# Altium PCB FMC_ADC_100M_10B_16CHA_TDC.PcbDoc (part 9 of 12)
Units mil, origin at the board's own origin, x right, y up, seen from the top; angles counter-clockwise.
Board outline 3037.39 x 2716.54 mil, 6 copper layers (TOP, G1, L2, L3, P3, BOTTOM), stack 50.475 mil thick; 720 components, 633 nets, 2798 pads, 1593 vias.
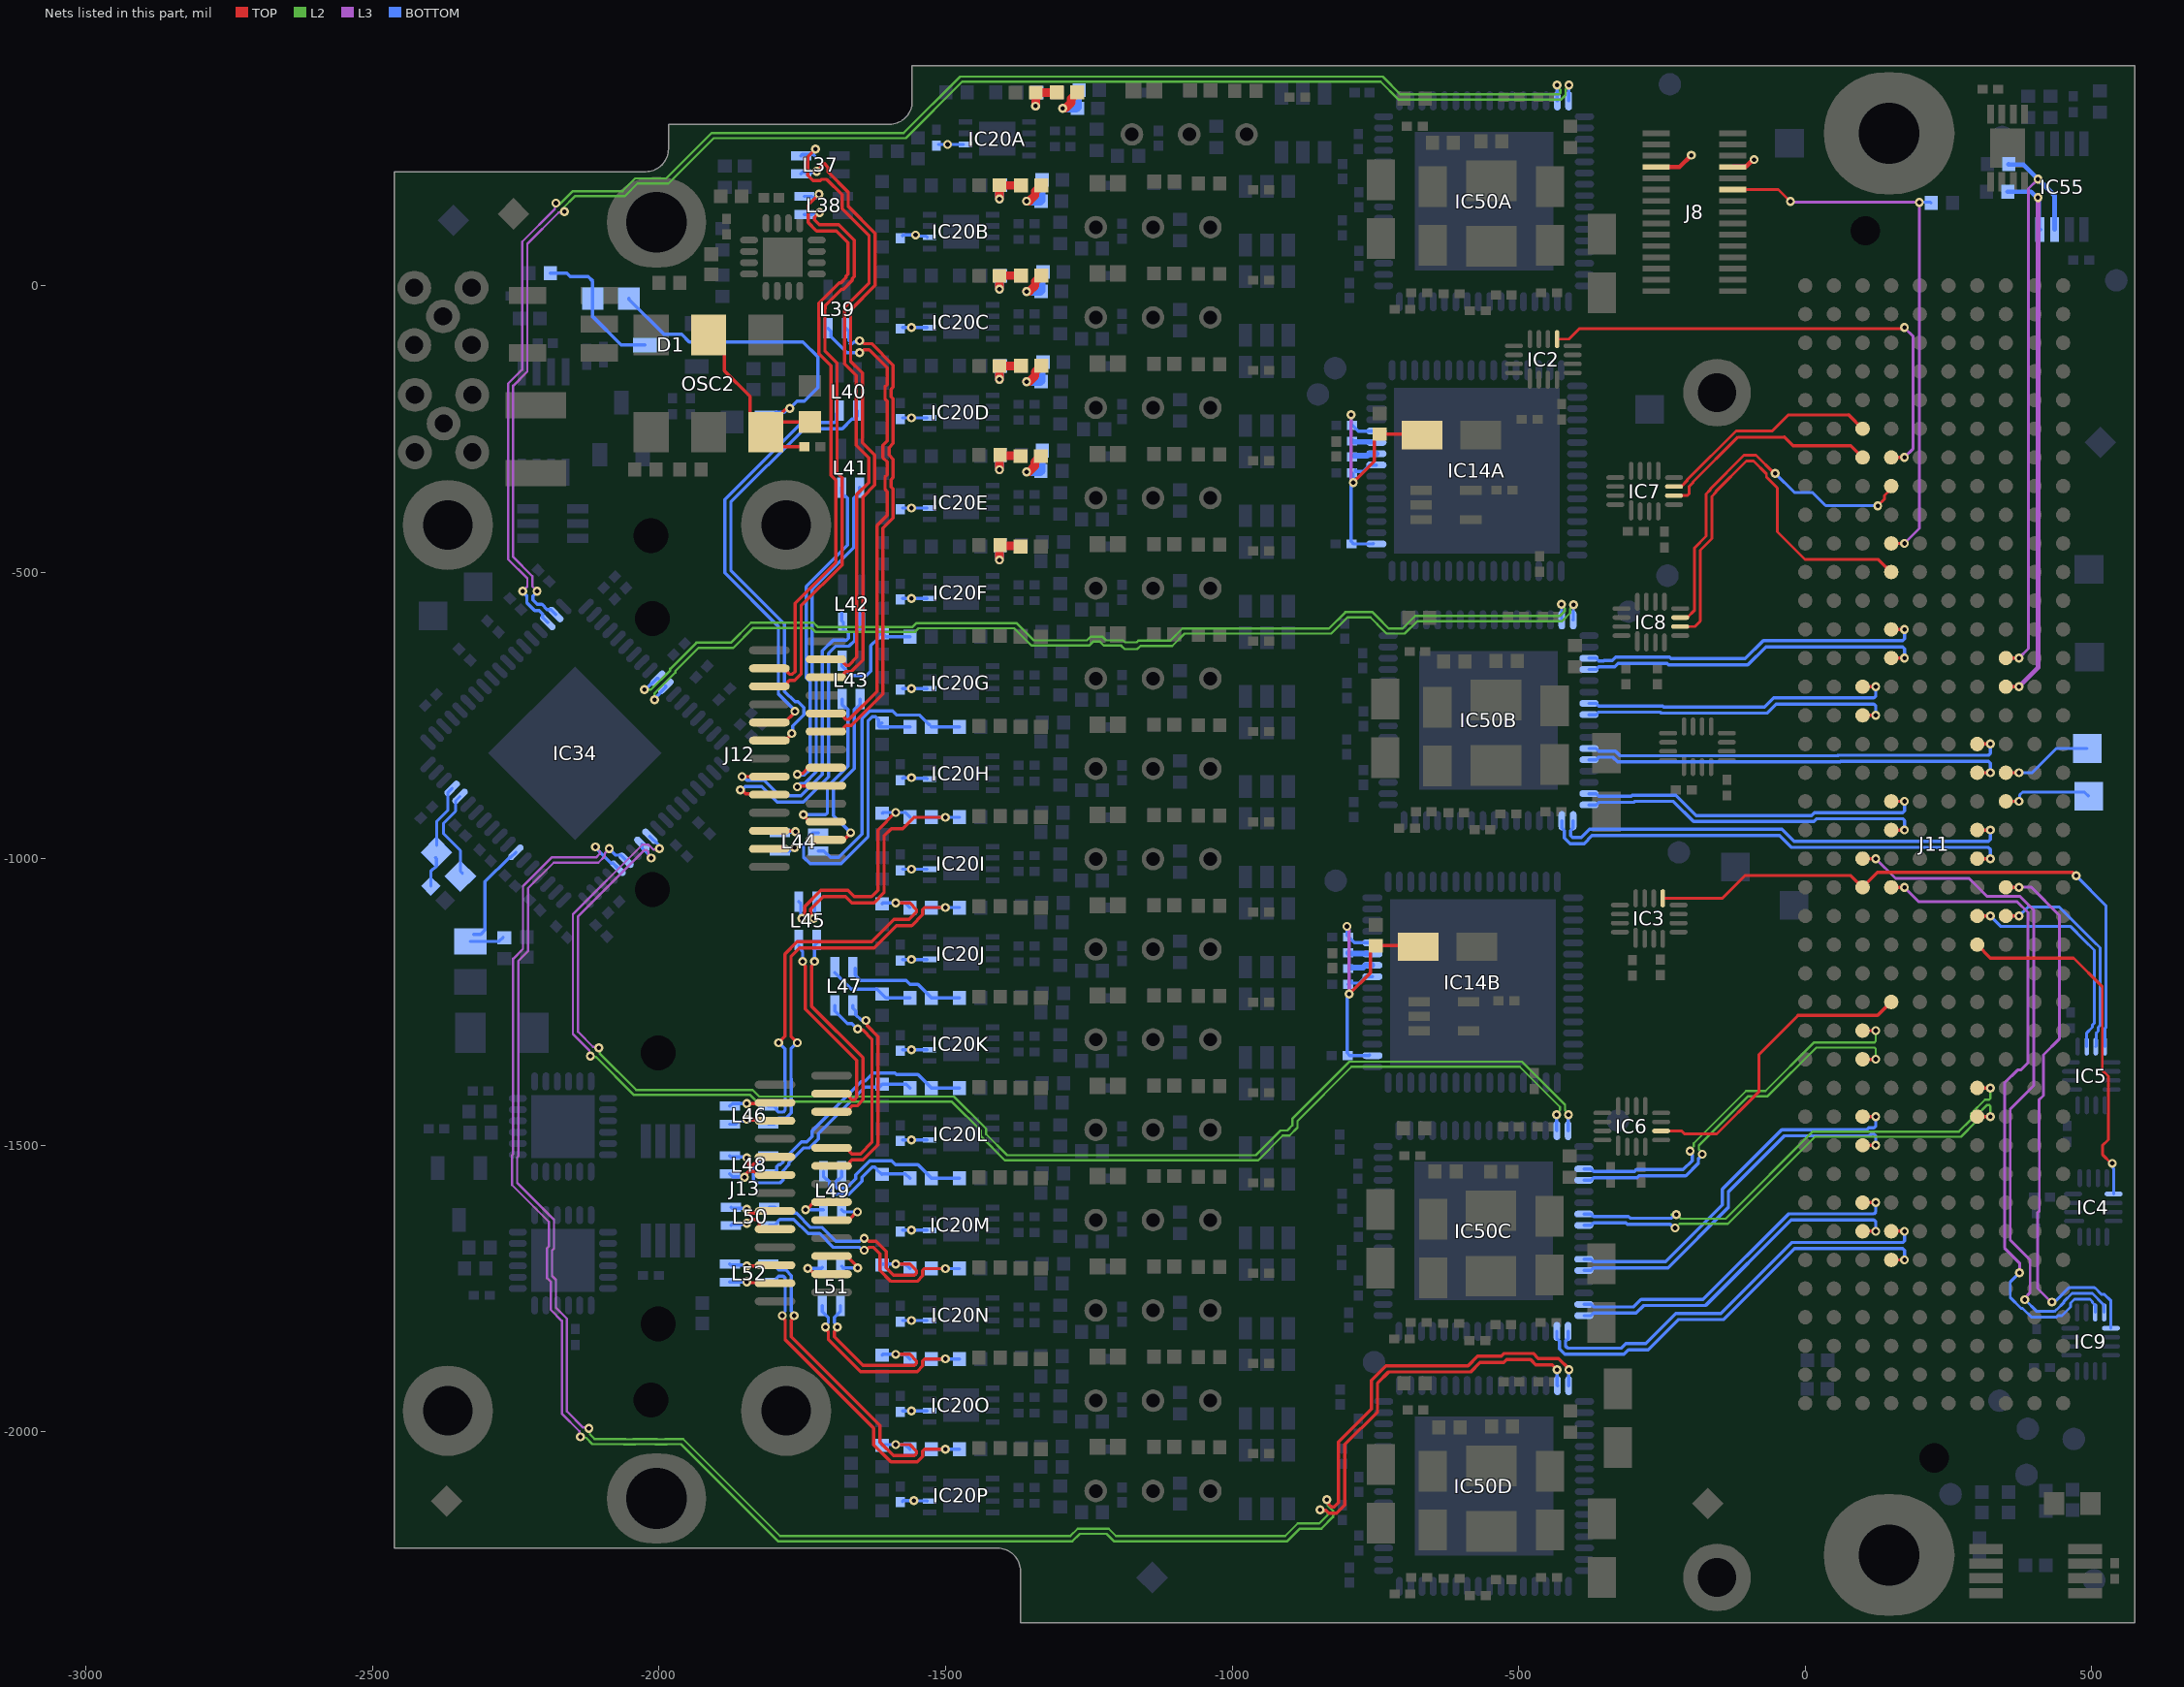
[diagram p13: the nets of this part, all layers, seen from the top]

## Via types
v1: diameter 15.75, hole 7.87, TOP to BOTTOM, tented both sides, 1528 vias
v2: diameter 23.62, hole 11.81, TOP to BOTTOM, tented both sides, 39 vias
v3: diameter 23.62, hole 7.87, TOP to BOTTOM, tented both sides, 26 vias

## Nets (pads, with @x,y where several pads share a name; then routed paths per layer and width w, separated by ;. In a path a pad name is that pad's centre, name@x,y a point inside that pad or via, vN(x,y) a via of type N, cw(c..) or ccw(c..) an arc to the next point about the centre after c; other vN are vias at no path point) (continued)
IN6_P: L43.2 R64G.1 R65G.2 | length 192
  BOTTOM w5.71: L43.2@-1680.63,-654.87 -1680.63,-664.71 -1664.9,-680.44 -1638.01,-680.44 -1630.81,-673.25 -1630.81,-628.45 -1618.23,-615.87 -1618.23,-611.98 R64G.1@-1614.57,-608.32 ; R64G.1@-1610.75,-606.12 -1604.06,-612.81 R65G.2@-1562.33,-612.81
IN7_N: L44.3 R63H.1 R65H.1 | length 482.7
  BOTTOM w5.71: L44.3@-1722.17,-986.46 -1712.32,-986.46 -1700.9,-997.89 -1686.61,-997.89 -1646.08,-957.36 -1646.08,-755.45 -1632.62,-741.98 -1592.73,-741.98 -1585.19,-749.51 -1545.31,-749.51 -1529.02,-765.8 R65H.1@-1527.95,-765.8 ; R65H.1@-1525.32,-770.29 R63H.1@-1475.71,-770.29
IN7_P: L44.2 R64H.1 R65H.2 | length 495.3
  BOTTOM w5.71: L44.2@-1722.17,-954.96 -1732.01,-954.96 -1737.03,-959.98 -1737.03,-964.62 -1747.74,-975.33 -1747.74,-997.59 -1736.73,-1008.6 -1682.17,-1008.6 -1635.37,-961.8 -1635.37,-759.88 -1628.18,-752.69 -1622.44,-752.69 -1617.27,-757.87 R64H.1@-1617.27,-768.5 ; R64H.1@-1610.75,-763.6 -1612.36,-763.6 R64H.1@-1617.27,-768.5 ; R65H.2@-1562.33,-770.29 -1615.48,-770.29 R64H.1@-1617.27,-768.5
IN8_N: L45.3 R63I.1 R65I.1 | length 467.6
  TOP w5.71: v1(-1730.18,-1104.38) -1730.18,-1101.67 -1735.2,-1096.65 -1735.2,-1087.94 -1713.42,-1066.16 -1674.69,-1066.16 -1663.97,-1076.87 -1624.88,-1076.87 -1607.42,-1059.41 -1607.42,-960.69 -1594.7,-947.97 -1574.46,-947.97 -1554.26,-927.77 v1(-1500.52,-927.77)
  BOTTOM w5.71: v1(-1730.18,-1104.38) -1728.55,-1102.76 -1728.55,-1098.63 -1728.26,-1098.34 -1728.26,-1078.31 L45.3@-1724.8,-1074.86 ; R65I.1@-1525.32,-927.77 R63I.1@-1475.71,-927.77
IN8_P: L45.2 R64I.1 R65I.2 | length 405.7
  TOP w5.71: v1(-1750.93,-1104.38) -1750.93,-1101.67 -1745.91,-1096.65 -1745.91,-1083.5 -1717.85,-1055.45 -1670.25,-1055.45 -1659.54,-1066.16 -1629.31,-1066.16 -1618.13,-1054.98 -1618.13,-950.35 v1(-1587.13,-919.35)
  BOTTOM w5.71: L45.2@-1756.3,-1074.86 -1752.85,-1078.31 -1752.85,-1102.46 v1(-1750.93,-1104.38) ; R64I.1@-1610.75,-921.08 -1609.02,-919.35 -1588.86,-919.35 -1587.13,-921.08 -1585.4,-919.35 -1570.75,-919.35 R65I.2@-1562.33,-927.77
IN9_N: L46.3 R63J.1 R65J.1 | length 691.2
  TOP w5.71: v1(-1758.87,-1321.02) -1769.79,-1310.09 -1769.79,-1170.79 -1754.71,-1155.71 -1624.72,-1155.71 -1585.77,-1116.76 -1559.09,-1116.76 -1540.1,-1097.77 -1540.1,-1088.6 -1536.75,-1085.25 v1(-1500.52,-1085.25)
  BOTTOM w5.71: L46.3@-1809.57,-1463.2 -1799.73,-1463.2 -1794.71,-1458.18 -1794.71,-1456.16 -1791.36,-1452.81 -1778.85,-1452.81 -1769.22,-1443.19 -1769.22,-1383.89 -1769.79,-1383.32 -1769.79,-1331.94 v1(-1758.87,-1321.02) ; R65J.1@-1525.32,-1085.25 v1(-1500.52,-1085.25) R63J.1@-1475.71,-1085.25
IN9_P: L46.2 R64J.1 R65J.2 | length 679.1
  TOP w5.71: v1(-1791.43,-1321.02) -1780.51,-1310.09 -1780.51,-1166.36 -1759.15,-1145 -1629.16,-1145 -1590.21,-1106.05 -1563.53,-1106.05 -1550.81,-1093.33 -1550.81,-1088.6 -1562.03,-1077.38 v1(-1587.13,-1077.38)
  BOTTOM w5.71: L46.2@-1809.57,-1431.71 -1799.73,-1431.71 -1794.71,-1436.72 -1794.71,-1438.75 -1791.36,-1442.1 -1783.28,-1442.1 -1779.94,-1438.75 -1779.94,-1389.39 -1780.51,-1388.82 -1780.51,-1331.94 v1(-1791.43,-1321.02) ; R64J.1@-1610.75,-1078.56 -1609.57,-1077.38 -1590.87,-1077.38 -1587.13,-1081.12 -1583.39,-1077.38 -1570.2,-1077.38 R65J.2@-1562.33,-1085.25
IN10_N: L47.3 R63K.1 R65K.1 | length 211
  BOTTOM w5.71: L47.3@-1657.88,-1191 -1657.88,-1202.81 -1648.29,-1212.4 -1568.84,-1212.4 -1562.15,-1219.09 -1548.17,-1219.09 -1525.32,-1241.94 R65K.1@-1525.32,-1242.73 R63K.1@-1475.71,-1242.73
IN10_P: L47.2 R64K.1 R65K.2 | length 149.1
  BOTTOM w5.71: L47.2@-1693.31,-1198.87 -1664.7,-1227.48 -1619.31,-1227.48 -1604.06,-1242.73 R65K.2@-1562.33,-1242.73
IN11_N: L48.3 R63L.1 R65L.1 | length 429.7
  BOTTOM w5.71: L48.3@-1809.57,-1549.82 -1799.73,-1549.82 -1794.71,-1544.8 -1794.71,-1537.09 -1791.67,-1534.05 -1788.6,-1534.05 -1784,-1529.45 -1784,-1526.38 -1751.49,-1493.87 -1741.91,-1493.87 -1732.7,-1484.65 -1732.7,-1475.08 -1645.5,-1387.88 -1639.85,-1387.88 -1626.21,-1374.24 -1588.35,-1374.24 -1586.02,-1376.58 -1548.17,-1376.58 -1525.32,-1399.42 R65L.1@-1525.32,-1400.21 R63L.1@-1475.71,-1400.21
IN11_P: L48.2 R64L.1 R65L.2 | length 424.7
  BOTTOM w5.71: L48.2@-1809.57,-1518.32 -1819.41,-1518.32 -1824.43,-1523.34 -1824.43,-1527.97 -1835.14,-1538.69 -1835.14,-1560.94 -1830.54,-1565.55 -1788.6,-1565.55 -1784,-1560.94 -1784,-1544.6 -1773.28,-1533.89 -1773.28,-1530.82 -1747.05,-1504.58 -1737.47,-1504.58 -1721.98,-1489.09 -1721.98,-1479.51 -1641.06,-1398.59 -1615.83,-1398.59 R64L.1@-1610.75,-1393.52 -1569.02,-1393.52 R65L.2@-1562.33,-1400.21
IN12_N: L49.3 R63M.1 R65M.1 | length 286.1
  BOTTOM w5.71: L49.3@-1681.5,-1545.33 -1681.5,-1555.17 -1686.52,-1560.19 -1688.54,-1560.19 -1691.89,-1563.54 -1691.89,-1571.61 -1688.54,-1574.96 -1673.42,-1574.96 -1656.81,-1558.35 -1656.81,-1551.55 -1632.62,-1527.36 -1594.2,-1527.36 -1587.5,-1534.06 -1548.17,-1534.06 -1525.32,-1556.9 R65M.1@-1525.32,-1557.69 R63M.1@-1475.71,-1557.69
IN12_P: L49.2 R64M.1 R65M.2 | length 213.9
  BOTTOM w5.71: L49.2@-1712.99,-1545.33 -1712.99,-1555.17 -1707.98,-1560.19 -1705.95,-1560.19 -1702.6,-1563.54 -1702.6,-1576.05 -1692.98,-1585.67 -1668.98,-1585.67 -1646.09,-1562.78 -1646.09,-1555.98 -1628.18,-1538.07 -1623.45,-1538.07 -1620.1,-1541.42 -1620.1,-1542.44 -1611.54,-1551 R64M.1@-1610.75,-1551 -1609.57,-1549.82 -1570.2,-1549.82 R65M.2@-1562.33,-1557.69
IN13_N: L50.3 R63N.1 R65N.1 | length 442.5
  TOP w5.71: v1(-1642.13,-1683.11) -1639.41,-1683.11 -1634.39,-1678.09 -1625.68,-1678.09 -1614.39,-1689.38 -1614.39,-1718.44 -1595.52,-1737.31 -1549.72,-1737.31 -1540.1,-1727.69 -1540.1,-1718.52 -1536.75,-1715.17 v1(-1500.52,-1715.17)
  BOTTOM w5.71: L50.3@-1807.48,-1639.82 -1797.64,-1639.82 -1792.62,-1634.8 -1792.62,-1632.77 -1789.28,-1629.43 -1764.72,-1629.43 -1739.98,-1654.16 -1719.81,-1654.16 -1695.89,-1678.09 -1649.86,-1678.09 -1644.84,-1683.11 v1(-1642.13,-1683.11) ; R65N.1@-1525.32,-1715.17 R63N.1@-1475.71,-1715.17
IN13_P: L50.2 R64N.1 R65N.2 | length 427.3
  TOP w5.71: v1(-1642.13,-1662.36) -1639.41,-1662.36 -1634.39,-1667.38 -1621.25,-1667.38 -1603.68,-1684.94 -1603.68,-1714 -1591.08,-1726.6 -1554.16,-1726.6 -1550.81,-1723.25 -1550.81,-1718.52 -1562.03,-1707.3 v1(-1587.13,-1707.3)
  BOTTOM w5.71: L50.2@-1807.48,-1608.32 -1797.64,-1608.32 -1792.62,-1613.34 -1792.62,-1615.37 -1789.28,-1618.71 -1760.28,-1618.71 -1735.54,-1643.45 -1715.37,-1643.45 -1691.45,-1667.38 -1649.86,-1667.38 -1644.84,-1662.36 v1(-1642.13,-1662.36) ; R64N.1@-1610.75,-1708.48 -1609.57,-1707.3 -1570.2,-1707.3 R65N.2@-1562.33,-1715.17
IN14_N: L51.3 R63O.1 R65O.1 | length 348.7
  TOP w5.71: v1(-1709.71,-1816.98) -1709.71,-1819.7 -1704.69,-1824.72 -1704.69,-1838.65 -1648.55,-1894.79 -1549.72,-1894.79 -1540.1,-1885.17 -1540.1,-1876 -1536.75,-1872.65 v1(-1500.52,-1872.65)
  BOTTOM w5.71: L51.3@-1715.08,-1780.13 -1715.08,-1789.97 -1704.69,-1800.37 -1704.69,-1809.25 ; R65O.1@-1525.32,-1872.65 R63O.1@-1475.71,-1872.65
IN14_P: L51.2 R64O.1 R65O.2 | length 325.6
  TOP w5.71: v1(-1688.96,-1816.98) -1688.96,-1819.7 -1693.98,-1824.72 -1693.98,-1834.21 -1644.11,-1884.08 -1554.16,-1884.08 -1550.81,-1880.73 -1550.81,-1876 -1562.03,-1864.78 v1(-1587.13,-1864.78)
  BOTTOM w5.71: v1(-1688.96,-1816.98) -1688.96,-1814.27 -1693.98,-1809.25 -1693.98,-1800.37 -1683.59,-1789.97 L51.2@-1683.59,-1780.13 ; R64O.1@-1610.75,-1865.96 -1609.57,-1864.78 -1570.2,-1864.78 R65O.2@-1562.33,-1872.65
IN15_N: L52.3 R63P.1 R65P.1 | length 586.9
  TOP w5.71: v1(-1784.94,-1797.3) -1784.94,-1800.01 -1779.92,-1805.03 -1779.92,-1838.89 -1625.33,-1993.48 -1625.33,-2022.46 -1595.52,-2052.27 -1549.72,-2052.27 -1540.1,-2042.65 -1540.1,-2033.48 -1536.75,-2030.13 v1(-1500.52,-2030.13)
  BOTTOM w5.71: L52.3@-1809.57,-1738.79 -1799.73,-1738.79 -1794.71,-1733.77 -1794.71,-1731.75 -1791.36,-1728.4 -1783.28,-1728.4 -1779.92,-1731.76 -1779.92,-1789.56 ; R65P.1@-1525.32,-2030.13 R63P.1@-1475.71,-2030.13
IN15_P: L52.2 R64P.1 R65P.2 | length 581.6
  TOP w5.71: v1(-1764.19,-1797.3) -1764.19,-1800.01 -1769.21,-1805.03 -1769.21,-1834.45 -1614.62,-1989.04 -1614.62,-2018.02 -1591.08,-2041.56 -1554.16,-2041.56 -1550.81,-2038.21 -1550.81,-2033.48 -1562.03,-2022.26 v1(-1587.13,-2022.26)
  BOTTOM w5.71: L52.2@-1809.57,-1707.3 -1799.73,-1707.3 -1794.71,-1712.31 -1794.71,-1714.34 -1791.36,-1717.69 -1778.85,-1717.69 -1769.21,-1727.32 -1769.21,-1789.56 -1764.19,-1794.58 v1(-1764.19,-1797.3) ; R64P.1@-1610.75,-2023.44 -1609.57,-2022.26 -1570.2,-2022.26 R65P.2@-1562.33,-2030.13
INU0_N: J12.B3 L37.4 | length 1073.4
  TOP w5.71: v1(-1725,199) -1725,200 -1712,213 -1705,206 -1705,198 -1669.97,162.97 -1669.97,138.03 -1622.85,90.9 -1622.85,0.13 -1665.73,-42.76 -1665.73,-132.27 -1645.29,-152.71 -1645.29,-274.27 -1623.55,-296 -1623.55,-348.39 -1644.22,-369.06 -1644.22,-653.18 -1664.33,-673.28 -1673.5,-673.28 -1676.85,-676.63 -1676.85,-678.1 -1682.42,-683.67 J12.B3@-1708.78,-683.67
  BOTTOM w5.71: L37.4@-1752.36,194.83 -1750.11,197.08 -1726.92,197.08 v1(-1725,199)
INU0_P: J12.B2 L37.1 | length 1087.4
  TOP w5.71: v1(-1727,238) -1740.73,224.27 -1740.73,192.48 -1731.52,183.27 -1718.48,183.27 -1716.75,185 -1707.15,185 -1680.69,158.54 -1680.69,133.59 -1633.56,86.46 -1633.56,4.57 -1676.45,-38.32 -1676.45,-136.71 -1656,-157.15 -1656,-278.7 -1634.27,-300.44 -1634.27,-343.95 -1654.94,-364.62 -1654.94,-648.74 -1668.77,-662.57 -1673.5,-662.57 -1676.85,-659.22 -1676.85,-657.75 -1682.42,-652.18 J12.B2@-1708.78,-652.18
  BOTTOM w5.71: L37.1@-1752.36,226.33 -1750.35,228.34 -1730.75,228.34 -1728.74,226.33
INU1_N: J12.A3 L38.4 | length 1016.9
  TOP w5.71: J12.A3@-1807.6,-699.42 -1781.24,-699.42 -1775.67,-693.85 -1775.67,-692.38 -1772.32,-689.03 -1763.15,-689.03 -1752.07,-677.95 -1752.07,-558.81 -1680.76,-487.5 -1680.76,-335.24 -1689.35,-326.65 -1689.35,-135.93 -1710.46,-114.82 -1710.46,-40.83 -1710.17,-40.54 -1710.17,-35.36 -1681.13,-6.32 -1678.23,-6.32 -1662.74,9.17 -1662.74,12.06 -1659.43,15.38 -1659.43,79.17 -1686.29,106.03 -1720.53,106.03 -1728.75,114.25 -1728.75,118.99 -1723.37,124.37 -1718.44,124.37 v1@-1718.03,123.96
  BOTTOM w5.71: L38.4@-1746.46,123.96 -1733.29,123.96 -1731.6,125.66 -1721.48,125.66 v1(-1719.79,127.35)
INU1_P: J12.A2 L38.1 | length 1025.6
  TOP w5.71: J12.A2@-1807.6,-667.93 -1781.24,-667.93 -1775.67,-673.5 -1775.67,-674.97 -1772.32,-678.32 -1767.59,-678.32 -1762.79,-673.52 -1762.79,-554.37 -1691.48,-483.07 -1691.48,-339.67 -1700.07,-331.08 -1700.07,-140.37 -1721.18,-119.26 -1721.18,-36.4 -1720.88,-36.1 -1720.88,-30.92 -1685.56,4.39 -1682.67,4.39 -1673.46,13.61 -1673.46,16.5 -1670.14,19.81 -1670.14,74.73 -1690.73,95.32 -1724.97,95.32 -1739.47,109.82 -1739.47,140.53 v1@-1724.19,155.81
  BOTTOM w5.71: L38.1@-1746.46,155.46 -1733.62,155.46 -1731.6,153.44 v1@-1722.78,153.44
  other v1: -1720.83,159.39
INU2_N: J12.B6 L39.4 | length 831.2
  TOP w5.71: J12.B6@-1708.78,-778.16 -1682.42,-778.16 -1676.85,-772.59 -1676.85,-771.12 -1673.5,-767.77 -1664.33,-767.77 -1609.18,-712.62 -1609.18,-423.18 -1591.41,-405.42 -1591.41,-355.18 -1594.99,-351.61 -1594.99,-338.58 -1591.41,-335 -1591.41,-303.33 -1598.8,-295.94 -1598.8,-282.91 -1591.41,-275.53 -1591.41,-197.7 -1594.99,-194.13 -1594.99,-181.1 -1591.41,-177.52 -1591.41,-139.25 -1629.12,-101.54 -1642.27,-101.54
  BOTTOM w5.71: L39.4@-1673.44,-74.86 -1668.42,-79.87 -1668.42,-96.22 -1667.37,-97.27 ; -1667.37,-101.54 -1662.42,-101.54 -1659.32,-98.45 -1651.92,-98.45 v1(-1650,-96.53)
INU2_P: J12.B5 L39.1 | length 829.6
  TOP w5.71: J12.B5@-1708.78,-746.67 -1682.42,-746.67 -1676.85,-752.24 -1676.85,-753.71 -1673.5,-757.06 -1668.77,-757.06 -1619.89,-708.18 -1619.89,-418.75 -1602.13,-400.98 -1602.13,-359.62 -1605.7,-356.04 -1605.7,-334.14 -1602.13,-330.57 -1602.13,-307.76 -1609.51,-300.38 -1609.51,-278.47 -1602.13,-271.09 -1602.13,-202.14 -1605.7,-198.56 -1605.7,-176.66 -1602.13,-173.09 -1602.13,-143.69 -1633.56,-112.26 -1642.27,-112.26
  BOTTOM w5.71: L39.1@-1704.93,-74.86 -1699.92,-79.87 -1699.92,-89.72 -1672.36,-117.28 v1(-1650,-117.28)
INU3_N: J12.A6 L40.4 | length 805.8
  TOP w5.71: J12.A6@-1807.6,-793.91 -1779.98,-793.91 -1768.53,-782.47 v1(-1768.53,-781.55)
  BOTTOM w5.71: v1(-1768.53,-781.55) -1766.61,-779.63 -1766.61,-768.67 -1747.26,-749.32 -1747.26,-736.29 -1757.14,-726.42 -1762.81,-726.42 -1781.04,-708.19 -1781.04,-590.79 -1874.67,-497.16 -1874.67,-377.92 -1746.67,-249.91 -1680.09,-249.91 -1663.59,-233.42 -1658.96,-233.42 -1653.94,-228.4 L40.4@-1653.94,-218.56
INU3_P: J12.A5 L40.1 | length 739.5
  TOP w5.71: J12.A5@-1807.6,-762.41 -1780.83,-762.41 -1762.99,-744.58 v1(-1762.99,-742.8)
  BOTTOM w5.71: v1(-1762.99,-742.8) -1762.99,-741.38 -1791.75,-712.63 -1791.75,-595.23 -1885.38,-501.59 -1885.38,-373.48 -1751.1,-239.2 -1693.8,-239.2 -1690.45,-235.85 -1690.45,-223.57 L40.1@-1689.37,-222.49
INU4_N: J12.B9 L41.4 | length 622.2
  TOP w5.71: v1(-1758.87,-874.56) -1757.92,-873.6 -1709.74,-873.6 J12.B9@-1708.78,-872.65
  BOTTOM w5.71: v1@-1754.43,-868.7 -1745.91,-868.7 -1725.84,-848.62 -1725.84,-687.19 -1732.66,-680.37 -1732.66,-529.65 -1660.39,-457.39 -1660.39,-370.62 -1657.05,-367.28 -1655.02,-367.28 -1650,-362.26 L41.4@-1650,-352.42
INU4_P: J12.B8 L41.1 | length 611.7
  TOP w5.71: v1(-1758.87,-852.97) -1756.95,-851.05 -1749.3,-851.05 -1739.41,-841.15 J12.B8@-1708.78,-841.15
  BOTTOM w5.71: v1(-1758.87,-852.97) -1758.02,-853.82 -1746.19,-853.82 -1736.55,-844.18 -1736.55,-691.63 -1743.37,-684.81 -1743.37,-525.22 -1671.11,-452.95 -1671.11,-370.62 -1674.45,-367.28 -1676.48,-367.28 -1681.5,-362.26 L41.1@-1681.5,-352.42
INU5_N: J12.A9 L42.4 | length 563.7
  TOP w5.71: v1(-1858.11,-880.15) -1855.4,-880.15 -1848.69,-886.86 -1809.15,-886.86 J12.A9@-1807.6,-888.4
  BOTTOM w5.71: v1(-1858.11,-880.15) -1856.02,-880.15 -1849.75,-873.88 -1821.18,-873.88 -1794.06,-901 -1747.92,-901 -1704.41,-857.49 -1704.41,-641.95 -1691.76,-629.3 -1668.28,-629.3 -1658.66,-619.67 -1658.66,-607.18 -1655.31,-603.83 -1653.29,-603.83 -1648.27,-598.82 L42.4@-1648.27,-588.97 ; L42.4@-1650,-588.97 L42.4@-1650,-571.47
INU5_P: J12.A8 L42.1 | length 535.4
  TOP w5.71: v1(-1855.1,-856.9) J12.A8@-1807.6,-856.9
  BOTTOM w5.71: v1(-1855.1,-856.9) -1853,-856.9 -1846.74,-863.17 -1816.74,-863.17 -1789.62,-890.29 -1752.35,-890.29 -1715.12,-853.06 -1715.12,-637.51 -1696.2,-618.58 -1672.72,-618.58 -1669.37,-615.24 -1669.37,-607.18 -1672.72,-603.83 -1674.75,-603.83 -1678.5,-600.08 L42.1@-1678.5,-587.71 ; L42.1@-1681.5,-571.47 -1681.5,-584.72 L42.1@-1679.76,-586.46
INU6_N: J12.B12 L43.4 | length 325.7
  TOP w5.71: J12.B12@-1708.78,-967.14 J12.B12@-1678.14,-967.14 ; v1@-1670.25,-959.25 J12.B12@-1678.14,-967.14 ; v1(-1665.75,-954.78) -1665.75,-955.87 -1675.47,-965.6 -1676.6,-965.6 J12.B12@-1678.14,-967.14
  BOTTOM w5.71: v1(-1665.75,-954.78) -1695.55,-924.97 -1695.55,-878.94 -1659.53,-842.91 -1659.53,-740.01 -1656.18,-736.66 -1654.15,-736.66 -1649.14,-731.64 L43.4@-1649.14,-721.8
INU6_P: J12.B11 L43.1 | length 307.5
  TOP w5.71: v1@-1749.06,-923.28 -1736.69,-935.64 J12.B11@-1708.78,-935.64
  BOTTOM w5.71: v1(-1748.42,-923.28) -1709.61,-923.28 -1706.27,-919.94 -1706.27,-874.5 -1670.24,-838.47 -1670.24,-740.01 -1673.59,-736.66 -1675.62,-736.66 -1680.63,-731.64 L43.1@-1680.63,-721.8
INU7_N: J12.A12 L44.4 | length 57.3
  TOP w5.71: J12.A12@-1807.6,-982.89 -1806.66,-981.94 -1764.41,-981.94 v1(-1763.47,-981)
  BOTTOM w5.71: L44.4@-1784.37,-986.37 L44.4@-1772,-986.37
INU7_P: J12.A11 L44.1 | length 79.9
  TOP w5.71: J12.A11@-1807.6,-951.39 -1806.8,-952.2 -1762.8,-952.2 v1(-1762,-953)
  BOTTOM w5.71: L44.1@-1798.94,-954.96 L44.1@-1789.09,-954.96 ; L44.1@-1782,-953 -1781.02,-953.98 -1762.98,-953.98 v1(-1762,-953) v1@-1762,-952.51 ; v1@-1762.25,-952.76 v1@-1762,-952.51 ; v1@-1760.49,-951 v1@-1762,-952.51
INU8_N: J13.B3 L45.4 | length 383.7
  TOP w5.71: v1(-1728.76,-1179.19) -1728.76,-1181.9 -1733.78,-1186.92 -1733.78,-1257.73 -1644.22,-1347.28 -1644.22,-1420.89 -1654.49,-1431.16 -1663.66,-1431.16 -1667.01,-1434.5 -1667.01,-1435.97 -1672.58,-1441.55 J13.B3@-1698.94,-1441.55
  BOTTOM w5.71: v1(-1728.76,-1179.19) -1728.76,-1151.65 L45.4@-1720.87,-1143.75
INU8_P: J13.B2 L45.1 | length 357.6
  TOP w5.71: v1(-1749.51,-1179.19) -1749.51,-1181.9 -1744.49,-1186.92 -1744.49,-1262.16 -1654.94,-1351.72 -1654.94,-1416.46 -1658.93,-1420.44 -1663.66,-1420.44 -1667.01,-1417.1 -1667.01,-1415.63 -1672.58,-1410.05 J13.B2@-1698.94,-1410.05
  BOTTOM w5.71: L45.1@-1756.3,-1151.63 -1751.28,-1156.65 -1751.28,-1159.64 -1749.51,-1161.41 v1(-1749.51,-1179.19)
INU9_N: J13.A3 L46.4 | length 83.3
  TOP w5.71: v1(-1846.85,-1454.78) -1845.31,-1456.31 -1798.74,-1456.31 J13.A3@-1797.76,-1457.3
  BOTTOM w5.71: L46.4@-1876.5,-1463.2 -1866.66,-1463.2 -1861.64,-1458.18 -1852.97,-1458.18 -1849.56,-1454.78 v1(-1846.85,-1454.78)
INU9_P: J13.A2 L46.1 | length 81.2
  TOP w5.71: v1(-1846.85,-1427.22) -1830.03,-1427.22 -1828.61,-1425.8 J13.A2@-1797.76,-1425.8
  BOTTOM w5.71: L46.1@-1876.5,-1431.71 -1872.01,-1427.22 v1(-1846.85,-1427.22)
INU10_N: J13.B6 L47.4 | length 363.8
  TOP w5.71: J13.B6@-1698.94,-1536.04 -1672.58,-1536.04 -1667.01,-1530.46 -1667.01,-1528.99 -1663.66,-1525.64 -1644.1,-1525.64 -1617.89,-1499.43 -1617.89,-1310.32 -1636.96,-1291.25 -1636.96,-1284.16 v1(-1638.88,-1282.24)
  BOTTOM w5.71: L47.4@-1661.81,-1255.96 -1661.81,-1260.35 -1656.8,-1265.37 -1656.8,-1272.2 -1647.82,-1281.18 -1647.03,-1281.18 -1646.66,-1281.55 v1@-1638.19,-1281.55
INU10_P: J13.B5 L47.1 | length 353
  TOP w5.71: J13.B5@-1698.94,-1504.54 -1672.58,-1504.54 -1667.01,-1510.11 -1667.01,-1511.59 -1663.66,-1514.93 -1648.54,-1514.93 -1628.6,-1495 -1628.6,-1314.76 -1644.53,-1298.83 -1651.63,-1298.83 v1(-1653.55,-1296.91)
  BOTTOM w5.71: L47.1@-1693.31,-1255.96 -1693.31,-1265.8 -1671.47,-1287.64 -1663.59,-1287.64 v1@-1657.88,-1293.36
INU11_N: J13.A6 L48.4 | length 92.7
  TOP w5.71: v1@-1850.87,-1556.55 -1850,-1555.67 -1850.87,-1554.8 -1846.85,-1550.77 -1846.85,-1549.15 -1843.5,-1545.8 -1833.68,-1545.8 -1827.7,-1551.78 J13.A6@-1797.76,-1551.78 ; v1(-1850.87,-1556) v1@-1850.33,-1556
  BOTTOM w5.71: L48.4@-1876.5,-1549.82 -1871.48,-1554.83 -1856.27,-1554.83 -1853.59,-1557.51 -1852.07,-1556 v1(-1850.87,-1556)
INU11_P: J13.A5 L48.1 | length 97.8
  TOP w5.71: v1(-1846.85,-1521.71) -1845.05,-1523.5 -1845.05,-1531.74 -1841.71,-1535.09 -1836.97,-1535.09 -1829.46,-1527.57 -1829.46,-1525.62 -1824.12,-1520.29 J13.A5@-1797.76,-1520.29
  BOTTOM w5.71: L48.1@-1876.5,-1518.32 -1874.81,-1520.01 -1848.54,-1520.01 v1(-1846.85,-1521.71)
INU12_N: J13.B9 L49.4 | length 52.6
  TOP w5.71: J13.B9@-1672.15,-1628.01 -1671.73,-1628.42 -1667.23,-1628.42 -1655,-1616.19 v1(-1653.94,-1616.19)
  BOTTOM w5.71: L49.4@-1681.5,-1612.26 -1677.56,-1616.19 v1(-1653.94,-1616.19)
INU12_P: J13.B8 L49.1 | length 82.5
  TOP w5.71: v1(-1744.49,-1612.26) -1742.6,-1612.26 -1729.37,-1599.03 J13.B8@-1698.94,-1599.03
  BOTTOM w5.71: v1(-1744.49,-1612.26) L49.1@-1712.99,-1612.26
INU13_N: J13.A9 L50.4 | length 92.5
  TOP w5.71: v1(-1846.85,-1636.41) -1845.47,-1636.41 -1838.49,-1629.43 -1830.58,-1629.43 -1825.24,-1634.77 -1825.24,-1642.55 -1821.51,-1646.27 J13.A9@-1797.76,-1646.27
  BOTTOM w5.71: L50.4@-1874.41,-1639.82 -1872.71,-1638.11 -1848.55,-1638.11 v1(-1846.85,-1636.41)
INU13_P: J13.A8 L50.1 | length 83.7
  TOP w5.71: v1(-1846.85,-1611.73) -1846.85,-1613.62 -1841.76,-1618.71 -1830.58,-1618.71 -1826.65,-1614.78 J13.A8@-1797.76,-1614.78
  BOTTOM w5.71: L50.1@-1874.41,-1608.32 -1872.71,-1610.02 -1848.55,-1610.02 v1(-1846.85,-1611.73)
INU14_N: J13.B12 L51.4 | length 48.7
  TOP w5.71: v1(-1740.55,-1714.62) -1739.21,-1714.62 -1730.79,-1723.05 J13.B12@-1721.42,-1723.05
  BOTTOM w5.71: v1(-1740.55,-1714.62) -1716.5,-1714.62 L51.4@-1715.08,-1713.2
INU14_P: J13.B11 L51.1 | length 83.9
  TOP w5.71: J13.B11@-1698.94,-1693.52 -1672.17,-1693.52 -1653.61,-1712.08 v1(-1653.61,-1713.85)
  BOTTOM w5.71: L51.1@-1681.5,-1710.93 -1678.57,-1713.85 v1(-1653.61,-1713.85)
INU15_N: J13.A12 L52.4 | length 80
  TOP w5.71: v1(-1846.85,-1738.24) -1845.31,-1739.78 -1798.74,-1739.78 J13.A12@-1797.76,-1740.76
  BOTTOM w5.71: L52.4@-1876.5,-1738.79 -1876.22,-1738.52 -1847.12,-1738.52 v1(-1846.85,-1738.24)
INU15_P: J13.A11 L52.1 | length 80.7
  TOP w5.71: v1(-1846.85,-1710.68) -1830.03,-1710.68 -1828.61,-1709.26 J13.A11@-1797.76,-1709.26
  BOTTOM w5.71: L52.1@-1876.5,-1707.3 -1874.81,-1708.99 -1848.54,-1708.99 v1(-1846.85,-1710.68)
LA00_CC_N: IC50C.17 J11.g7 | length 737.3
  TOP w5.71: J11.g7@150,-1650 v1(173,-1650)
  BOTTOM w5.71: IC50C.17@-413.78,-1824.74 -413.78,-1837.21 -418.27,-1841.7 -418.27,-1850.54 -414.92,-1853.89 -320.69,-1853.89 -312.84,-1846.04 -278.48,-1846.04 -225.83,-1793.39 -147.2,-1793.39 -23.45,-1669.64 169.65,-1669.64 173,-1666.3 v1(173,-1650)